# Altium PCB top_LM_v3.PcbDoc (part 1 of 6) (continued)
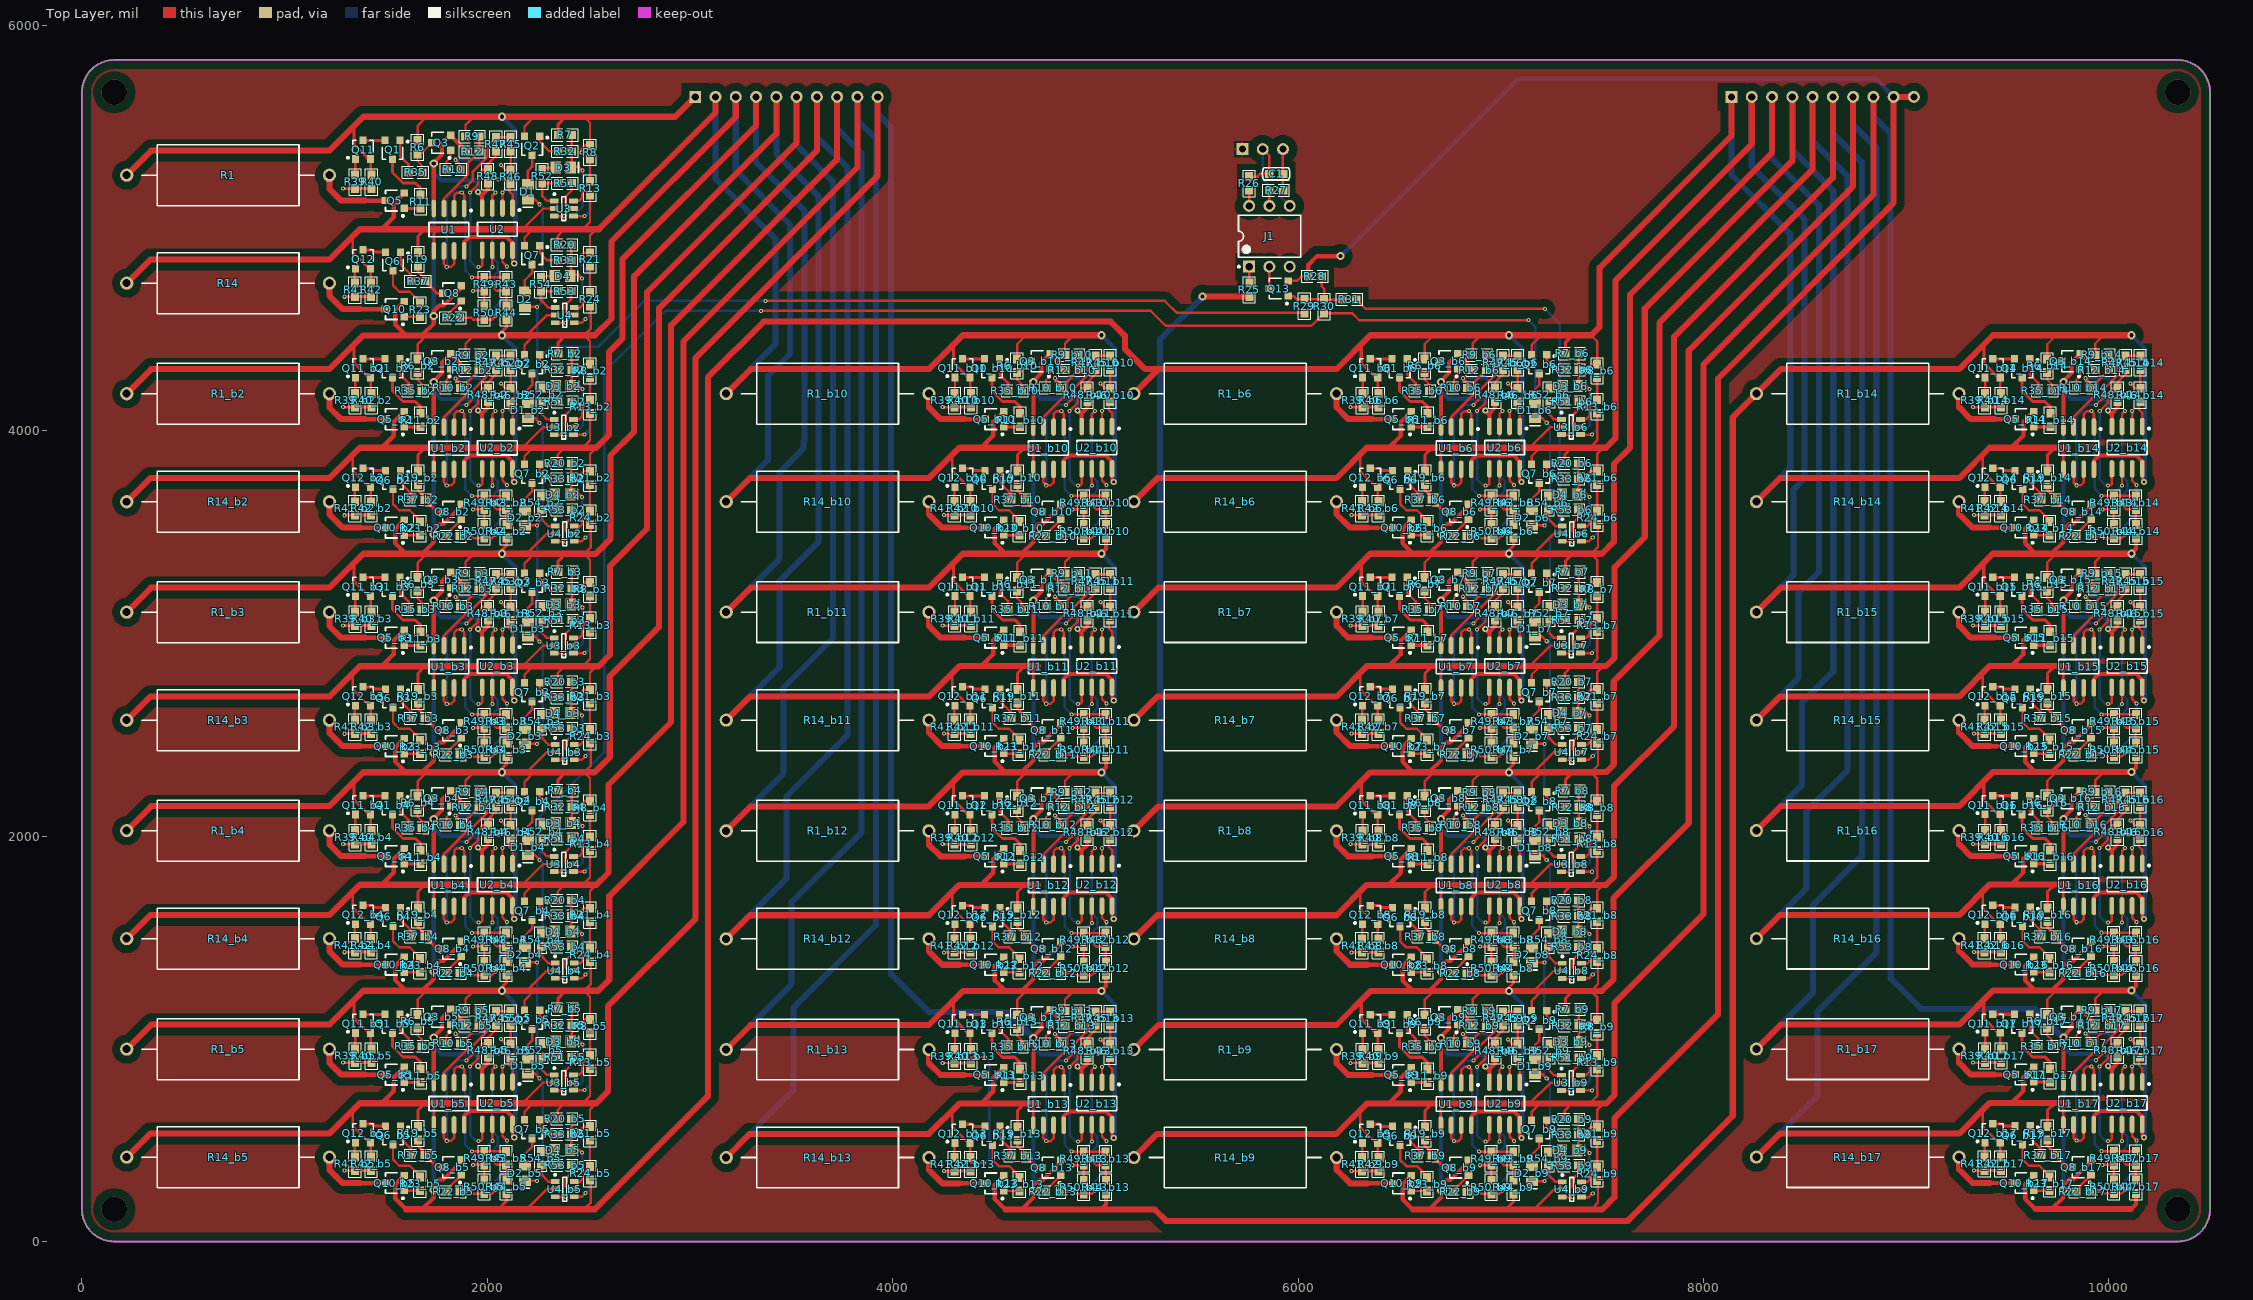
[diagram p0: Top Layer view]
## Components (designator, comment, footprint, x,y, rotation, side; value= is the part's Value field where it differs from the comment) (continued)
Q3 "MMBT3904" SOT23-3 1772.82,5421.58 r90 top
Q3_b2 "MMBT3904" SOT23-3 1772.82,4343.26 r90 top (schematic designator Q3)
Q3_b3 "MMBT3904" SOT23-3 1772.82,3265.26 r90 top (schematic designator Q3)
Q3_b4 "MMBT3904" SOT23-3 1772.82,2187.26 r90 top (schematic designator Q3)
Q3_b5 "MMBT3904" SOT23-3 1772.82,1109.26 r90 top (schematic designator Q3)
Q3_b6 "MMBT3904" SOT23-3 6742.08,4343.58 r90 top (schematic designator Q3)
Q3_b7 "MMBT3904" SOT23-3 6742.08,3265.58 r90 top (schematic designator Q3)
Q3_b8 "MMBT3904" SOT23-3 6742.08,2186.58 r90 top (schematic designator Q3)
Q3_b9 "MMBT3904" SOT23-3 6742.08,1107.58 r90 top (schematic designator Q3)
Q3_b10 "MMBT3904" SOT23-3 4730.82,4343.58 r90 top (schematic designator Q3)
Q3_b11 "MMBT3904" SOT23-3 4730.82,3265.58 r90 top (schematic designator Q3)
Q3_b12 "MMBT3904" SOT23-3 4730.82,2186.58 r90 top (schematic designator Q3)
Q3_b13 "MMBT3904" SOT23-3 4730.82,1107.58 r90 top (schematic designator Q3)
Q3_b14 "MMBT3904" SOT23-3 9813.82,4343.58 r90 top (schematic designator Q3)
Q3_b15 "MMBT3904" SOT23-3 9813.57,3265.58 r90 top (schematic designator Q3)
Q3_b16 "MMBT3904" SOT23-3 9813.57,2187.58 r90 top (schematic designator Q3)
Q3_b17 "MMBT3904" SOT23-3 9813.57,1109.58 r90 top (schematic designator Q3)
Q5 "MOSFET-N" SOT23-3 1543.69,5135.86 r90 top
Q5_b2 "MOSFET-N" SOT23-3 1543.69,4057.54 r90 top (schematic designator Q5)
Q5_b3 "MOSFET-N" SOT23-3 1543.69,2979.54 r90 top (schematic designator Q5)
Q5_b4 "MOSFET-N" SOT23-3 1543.69,1901.54 r90 top (schematic designator Q5)
Q5_b5 "MOSFET-N" SOT23-3 1543.69,823.54 r90 top (schematic designator Q5)
Q5_b6 "MOSFET-N" SOT23-3 6512.94,4057.86 r90 top (schematic designator Q5)
Q5_b7 "MOSFET-N" SOT23-3 6512.94,2979.86 r90 top (schematic designator Q5)
Q5_b8 "MOSFET-N" SOT23-3 6512.94,1900.86 r90 top (schematic designator Q5)
Q5_b9 "MOSFET-N" SOT23-3 6512.94,821.86 r90 top (schematic designator Q5)
Q5_b10 "MOSFET-N" SOT23-3 4501.69,4057.86 r90 top (schematic designator Q5)
Q5_b11 "MOSFET-N" SOT23-3 4501.69,2979.86 r90 top (schematic designator Q5)
Q5_b12 "MOSFET-N" SOT23-3 4501.69,1900.86 r90 top (schematic designator Q5)
Q5_b13 "MOSFET-N" SOT23-3 4501.69,821.86 r90 top (schematic designator Q5)
Q5_b14 "MOSFET-N" SOT23-3 9584.69,4057.86 r90 top (schematic designator Q5)
Q5_b15 "MOSFET-N" SOT23-3 9584.44,2979.86 r90 top (schematic designator Q5)
Q5_b16 "MOSFET-N" SOT23-3 9584.44,1901.86 r90 top (schematic designator Q5)
Q5_b17 "MOSFET-N" SOT23-3 9584.44,823.86 r90 top (schematic designator Q5)
Q6 "MMBT3906" SOT23-3 1534.69,4835.86 r180 top
Q6_b2 "MMBT3906" SOT23-3 1534.69,3757.54 r180 top (schematic designator Q6)
Q6_b3 "MMBT3906" SOT23-3 1534.69,2679.54 r180 top (schematic designator Q6)
Q6_b4 "MMBT3906" SOT23-3 1534.69,1601.54 r180 top (schematic designator Q6)
Q6_b5 "MMBT3906" SOT23-3 1534.69,523.54 r180 top (schematic designator Q6)
Q6_b6 "MMBT3906" SOT23-3 6503.94,3757.86 r180 top (schematic designator Q6)
Q6_b7 "MMBT3906" SOT23-3 6503.94,2679.86 r180 top (schematic designator Q6)
Q6_b8 "MMBT3906" SOT23-3 6503.94,1600.86 r180 top (schematic designator Q6)
Q6_b9 "MMBT3906" SOT23-3 6503.94,521.86 r180 top (schematic designator Q6)
Q6_b10 "MMBT3906" SOT23-3 4492.69,3757.86 r180 top (schematic designator Q6)
Q6_b11 "MMBT3906" SOT23-3 4492.69,2679.86 r180 top (schematic designator Q6)
Q6_b12 "MMBT3906" SOT23-3 4492.69,1600.86 r180 top (schematic designator Q6)
Q6_b13 "MMBT3906" SOT23-3 4492.69,521.86 r180 top (schematic designator Q6)
Q6_b14 "MMBT3906" SOT23-3 9575.69,3757.86 r180 top (schematic designator Q6)
Q6_b15 "MMBT3906" SOT23-3 9575.44,2679.86 r180 top (schematic designator Q6)
Q6_b16 "MMBT3906" SOT23-3 9575.44,1601.86 r180 top (schematic designator Q6)
Q6_b17 "MMBT3906" SOT23-3 9575.44,523.86 r180 top (schematic designator Q6)
Q7 "MMBT5400" SOT23-3 2221,4867 r180 top
Q7_b2 "MMBT5400" SOT23-3 2221,3788.68 r180 top (schematic designator Q7)
Q7_b3 "MMBT5400" SOT23-3 2221,2710.68 r180 top (schematic designator Q7)
Q7_b4 "MMBT5400" SOT23-3 2221,1632.68 r180 top (schematic designator Q7)
Q7_b5 "MMBT5400" SOT23-3 2221,554.68 r180 top (schematic designator Q7)
Q7_b6 "MMBT5400" SOT23-3 7190.25,3789 r180 top (schematic designator Q7)
Q7_b7 "MMBT5400" SOT23-3 7190.25,2711 r180 top (schematic designator Q7)
Q7_b8 "MMBT5400" SOT23-3 7190.25,1632 r180 top (schematic designator Q7)
Q7_b9 "MMBT5400" SOT23-3 7190.25,553 r180 top (schematic designator Q7)
Q8 "MMBT3904" SOT23-3 1825.82,4678.58 r90 top
Q8_b2 "MMBT3904" SOT23-3 1825.82,3600.26 r90 top (schematic designator Q8)
Q8_b3 "MMBT3904" SOT23-3 1825.82,2522.26 r90 top (schematic designator Q8)
Q8_b4 "MMBT3904" SOT23-3 1825.82,1444.26 r90 top (schematic designator Q8)
Q8_b5 "MMBT3904" SOT23-3 1825.82,366.26 r90 top (schematic designator Q8)
Q8_b6 "MMBT3904" SOT23-3 6795.08,3600.58 r90 top (schematic designator Q8)
Q8_b7 "MMBT3904" SOT23-3 6795.08,2522.58 r90 top (schematic designator Q8)
Q8_b8 "MMBT3904" SOT23-3 6795.08,1443.58 r90 top (schematic designator Q8)
Q8_b9 "MMBT3904" SOT23-3 6795.08,364.58 r90 top (schematic designator Q8)
Q8_b10 "MMBT3904" SOT23-3 4783.82,3600.58 r90 top (schematic designator Q8)
Q8_b11 "MMBT3904" SOT23-3 4783.82,2522.58 r90 top (schematic designator Q8)
Q8_b12 "MMBT3904" SOT23-3 4783.82,1443.58 r90 top (schematic designator Q8)
Q8_b13 "MMBT3904" SOT23-3 4783.82,364.58 r90 top (schematic designator Q8)
Q8_b14 "MMBT3904" SOT23-3 9866.82,3600.58 r90 top (schematic designator Q8)
Q8_b15 "MMBT3904" SOT23-3 9866.57,2522.58 r90 top (schematic designator Q8)
Q8_b16 "MMBT3904" SOT23-3 9866.57,1444.58 r90 top (schematic designator Q8)
Q8_b17 "MMBT3904" SOT23-3 9866.57,366.58 r90 top (schematic designator Q8)
Q10 "MOSFET-N" SOT23-3 1543.69,4600.86 r90 top
Q10_b2 "MOSFET-N" SOT23-3 1543.69,3522.54 r90 top (schematic designator Q10)
Q10_b3 "MOSFET-N" SOT23-3 1543.69,2444.54 r90 top (schematic designator Q10)
Q10_b4 "MOSFET-N" SOT23-3 1543.69,1366.54 r90 top (schematic designator Q10)
Q10_b5 "MOSFET-N" SOT23-3 1543.69,288.54 r90 top (schematic designator Q10)
Q10_b6 "MOSFET-N" SOT23-3 6512.94,3522.86 r90 top (schematic designator Q10)
Q10_b7 "MOSFET-N" SOT23-3 6512.94,2444.86 r90 top (schematic designator Q10)
Q10_b8 "MOSFET-N" SOT23-3 6512.94,1365.86 r90 top (schematic designator Q10)
Q10_b9 "MOSFET-N" SOT23-3 6512.94,286.86 r90 top (schematic designator Q10)
Q10_b10 "MOSFET-N" SOT23-3 4501.69,3522.86 r90 top (schematic designator Q10)
Q10_b11 "MOSFET-N" SOT23-3 4501.69,2444.86 r90 top (schematic designator Q10)
Q10_b12 "MOSFET-N" SOT23-3 4501.69,1365.86 r90 top (schematic designator Q10)
Q10_b13 "MOSFET-N" SOT23-3 4501.69,286.86 r90 top (schematic designator Q10)
Q10_b14 "MOSFET-N" SOT23-3 9584.69,3522.86 r90 top (schematic designator Q10)
Q10_b15 "MOSFET-N" SOT23-3 9584.44,2444.86 r90 top (schematic designator Q10)
Q10_b16 "MOSFET-N" SOT23-3 9584.44,1366.86 r90 top (schematic designator Q10)
Q10_b17 "MOSFET-N" SOT23-3 9584.44,288.86 r90 top (schematic designator Q10)
Q11 "MMBT3906" SOT23-3 1386.82,5387.58 r0 top
Q11_b2 "MMBT3906" SOT23-3 1386.82,4309.26 r0 top (schematic designator Q11)
Q11_b3 "MMBT3906" SOT23-3 1386.82,3231.26 r0 top (schematic designator Q11)
Q11_b4 "MMBT3906" SOT23-3 1386.82,2153.26 r0 top (schematic designator Q11)
Q11_b5 "MMBT3906" SOT23-3 1386.82,1075.26 r0 top (schematic designator Q11)
Q11_b6 "MMBT3906" SOT23-3 6356.08,4309.58 r0 top (schematic designator Q11)
Q11_b7 "MMBT3906" SOT23-3 6356.08,3231.58 r0 top (schematic designator Q11)
Q11_b8 "MMBT3906" SOT23-3 6356.08,2152.58 r0 top (schematic designator Q11)
Q11_b9 "MMBT3906" SOT23-3 6356.08,1073.58 r0 top (schematic designator Q11)
Q11_b10 "MMBT3906" SOT23-3 4344.82,4309.58 r0 top (schematic designator Q11)
Q11_b11 "MMBT3906" SOT23-3 4344.82,3231.58 r0 top (schematic designator Q11)
Q11_b12 "MMBT3906" SOT23-3 4344.82,2152.58 r0 top (schematic designator Q11)
Q11_b13 "MMBT3906" SOT23-3 4344.82,1073.58 r0 top (schematic designator Q11)
Q11_b14 "MMBT3906" SOT23-3 9427.82,4309.58 r0 top (schematic designator Q11)
Q11_b15 "MMBT3906" SOT23-3 9427.57,3231.58 r0 top (schematic designator Q11)
Q11_b16 "MMBT3906" SOT23-3 9427.57,2153.58 r0 top (schematic designator Q11)
Q11_b17 "MMBT3906" SOT23-3 9427.57,1075.58 r0 top (schematic designator Q11)
Q12 "MMBT3906" SOT23-3 1386.82,4846.58 r0 top
Q12_b2 "MMBT3906" SOT23-3 1386.82,3768.26 r0 top (schematic designator Q12)
Q12_b3 "MMBT3906" SOT23-3 1386.82,2690.26 r0 top (schematic designator Q12)
Q12_b4 "MMBT3906" SOT23-3 1386.82,1612.26 r0 top (schematic designator Q12)
Q12_b5 "MMBT3906" SOT23-3 1386.82,534.26 r0 top (schematic designator Q12)
Q12_b6 "MMBT3906" SOT23-3 6356.08,3768.58 r0 top (schematic designator Q12)
Q12_b7 "MMBT3906" SOT23-3 6356.08,2690.58 r0 top (schematic designator Q12)
Q12_b8 "MMBT3906" SOT23-3 6356.08,1611.58 r0 top (schematic designator Q12)
Q12_b9 "MMBT3906" SOT23-3 6356.08,532.58 r0 top (schematic designator Q12)
Q12_b10 "MMBT3906" SOT23-3 4344.82,3768.58 r0 top (schematic designator Q12)
Q12_b11 "MMBT3906" SOT23-3 4344.82,2690.58 r0 top (schematic designator Q12)
Q12_b12 "MMBT3906" SOT23-3 4344.82,1611.58 r0 top (schematic designator Q12)
Q12_b13 "MMBT3906" SOT23-3 4344.82,532.58 r0 top (schematic designator Q12)
Q12_b14 "MMBT3906" SOT23-3 9427.82,3768.58 r0 top (schematic designator Q12)
Q12_b15 "MMBT3906" SOT23-3 9427.57,2690.58 r0 top (schematic designator Q12)
Q12_b16 "MMBT3906" SOT23-3 9427.57,1612.58 r0 top (schematic designator Q12)
Q12_b17 "MMBT3906" SOT23-3 9427.57,534.58 r0 top (schematic designator Q12)
Q13 "NPN" SOT23-3 5904.82,4702.32 r90 top
R1 "Res1" AXIAL-1.0 720.82,5261.58 r180 top
R1_b2 "Res1" AXIAL-1.0 720.82,4183.26 r180 top (schematic designator R1)
R1_b3 "Res1" AXIAL-1.0 720.82,3105.26 r180 top (schematic designator R1)
R1_b4 "Res1" AXIAL-1.0 720.82,2027.26 r180 top (schematic designator R1)
R1_b5 "Res1" AXIAL-1.0 720.82,949.26 r180 top (schematic designator R1)
R1_b6 "Res1" AXIAL-1.0 5690.08,4183.58 r180 top (schematic designator R1)
R1_b7 "Res1" AXIAL-1.0 5690.08,3105.58 r180 top (schematic designator R1)
R1_b8 "Res1" AXIAL-1.0 5690.08,2026.58 r180 top (schematic designator R1)
R1_b9 "Res1" AXIAL-1.0 5690.08,947.58 r180 top (schematic designator R1)
R1_b10 "Res1" AXIAL-1.0 3678.82,4183.58 r180 top (schematic designator R1)
R1_b11 "Res1" AXIAL-1.0 3678.82,3105.58 r180 top (schematic designator R1)
R1_b12 "Res1" AXIAL-1.0 3678.82,2026.58 r180 top (schematic designator R1)
R1_b13 "Res1" AXIAL-1.0 3678.82,947.58 r180 top (schematic designator R1)
R1_b14 "Res1" AXIAL-1.0 8761.82,4183.58 r180 top (schematic designator R1)
R1_b15 "Res1" AXIAL-1.0 8761.57,3105.58 r180 top (schematic designator R1)
R1_b16 "Res1" AXIAL-1.0 8761.57,2027.58 r180 top (schematic designator R1)
R1_b17 "Res1" AXIAL-1.0 8761.57,949.58 r180 top (schematic designator R1)
R6 "Res1" 0603-1 1655.69,5399.32 r90 top
R6_b2 "Res1" 0603-1 1655.69,4321 r90 top (schematic designator R6)
R6_b3 "Res1" 0603-1 1655.69,3243 r90 top (schematic designator R6)
R6_b4 "Res1" 0603-1 1655.69,2165 r90 top (schematic designator R6)
R6_b5 "Res1" 0603-1 1655.69,1087 r90 top (schematic designator R6)
R6_b6 "Res1" 0603-1 6624.94,4321.32 r90 top (schematic designator R6)
R6_b7 "Res1" 0603-1 6624.94,3243.32 r90 top (schematic designator R6)
R6_b8 "Res1" 0603-1 6624.94,2164.32 r90 top (schematic designator R6)
R6_b9 "Res1" 0603-1 6624.94,1085.32 r90 top (schematic designator R6)
R6_b10 "Res1" 0603-1 4613.69,4321.32 r90 top (schematic designator R6)
R6_b11 "Res1" 0603-1 4613.69,3243.32 r90 top (schematic designator R6)
R6_b12 "Res1" 0603-1 4613.69,2164.32 r90 top (schematic designator R6)
R6_b13 "Res1" 0603-1 4613.69,1085.32 r90 top (schematic designator R6)
R6_b14 "Res1" 0603-1 9696.69,4321.32 r90 top (schematic designator R6)
R6_b15 "Res1" 0603-1 9696.44,3243.32 r90 top (schematic designator R6)
R6_b16 "Res1" 0603-1 9696.44,2165.32 r90 top (schematic designator R6)
R6_b17 "Res1" 0603-1 9696.44,1087.32 r90 top (schematic designator R6)
R7 "Res1" 0603-1 2383,5460 r180 top
R7_b2 "Res1" 0603-1 2383,4381.68 r180 top (schematic designator R7)
R7_b3 "Res1" 0603-1 2383,3303.68 r180 top (schematic designator R7)
R7_b4 "Res1" 0603-1 2383,2225.68 r180 top (schematic designator R7)
R7_b5 "Res1" 0603-1 2383,1147.68 r180 top (schematic designator R7)
R7_b6 "Res1" 0603-1 7352.25,4382 r180 top (schematic designator R7)
R7_b7 "Res1" 0603-1 7352.25,3304 r180 top (schematic designator R7)
R7_b8 "Res1" 0603-1 7352.25,2225 r180 top (schematic designator R7)
R7_b9 "Res1" 0603-1 7352.25,1146 r180 top (schematic designator R7)
R8 "Res1" 0603-1 2506.69,5374.86 r90 top
R8_b2 "Res1" 0603-1 2506.69,4296.54 r90 top (schematic designator R8)
R8_b3 "Res1" 0603-1 2506.69,3218.54 r90 top (schematic designator R8)
R8_b4 "Res1" 0603-1 2506.69,2140.54 r90 top (schematic designator R8)
R8_b5 "Res1" 0603-1 2506.69,1062.54 r90 top (schematic designator R8)
R8_b6 "Res1" 0603-1 7475.94,4296.86 r90 top (schematic designator R8)
R8_b7 "Res1" 0603-1 7475.94,3218.86 r90 top (schematic designator R8)
R8_b8 "Res1" 0603-1 7475.94,2139.86 r90 top (schematic designator R8)
R8_b9 "Res1" 0603-1 7475.94,1060.86 r90 top (schematic designator R8)
R9 "Res1" 0603-1 1925.82,5452.58 r180 top
R9_b2 "Res1" 0603-1 1925.82,4374.26 r180 top (schematic designator R9)
R9_b3 "Res1" 0603-1 1925.82,3296.26 r180 top (schematic designator R9)
R9_b4 "Res1" 0603-1 1925.82,2218.26 r180 top (schematic designator R9)
R9_b5 "Res1" 0603-1 1925.82,1140.26 r180 top (schematic designator R9)
R9_b6 "Res1" 0603-1 6895.08,4374.58 r180 top (schematic designator R9)
R9_b7 "Res1" 0603-1 6895.08,3296.58 r180 top (schematic designator R9)
R9_b8 "Res1" 0603-1 6895.08,2217.58 r180 top (schematic designator R9)
R9_b9 "Res1" 0603-1 6895.08,1138.58 r180 top (schematic designator R9)
R9_b10 "Res1" 0603-1 4883.82,4374.58 r180 top (schematic designator R9)
R9_b11 "Res1" 0603-1 4883.82,3296.58 r180 top (schematic designator R9)
R9_b12 "Res1" 0603-1 4883.82,2217.58 r180 top (schematic designator R9)
R9_b13 "Res1" 0603-1 4883.82,1138.58 r180 top (schematic designator R9)
R9_b14 "Res1" 0603-1 9966.82,4374.58 r180 top (schematic designator R9)
R9_b15 "Res1" 0603-1 9966.57,3296.58 r180 top (schematic designator R9)
R9_b16 "Res1" 0603-1 9966.57,2218.58 r180 top (schematic designator R9)
R9_b17 "Res1" 0603-1 9966.57,1140.58 r180 top (schematic designator R9)
R10 "Res1" 0603-1 1832.82,5290.58 r0 top
R10_b2 "Res1" 0603-1 1832.82,4212.26 r0 top (schematic designator R10)
R10_b3 "Res1" 0603-1 1832.82,3134.26 r0 top (schematic designator R10)
R10_b4 "Res1" 0603-1 1832.82,2056.26 r0 top (schematic designator R10)
R10_b5 "Res1" 0603-1 1832.82,978.26 r0 top (schematic designator R10)
R10_b6 "Res1" 0603-1 6802.08,4212.58 r0 top (schematic designator R10)
R10_b7 "Res1" 0603-1 6802.08,3134.58 r0 top (schematic designator R10)
R10_b8 "Res1" 0603-1 6802.08,2055.58 r0 top (schematic designator R10)
R10_b9 "Res1" 0603-1 6802.08,976.58 r0 top (schematic designator R10)
R10_b10 "Res1" 0603-1 4790.82,4212.58 r0 top (schematic designator R10)
R10_b11 "Res1" 0603-1 4790.82,3134.58 r0 top (schematic designator R10)
R10_b12 "Res1" 0603-1 4790.82,2055.58 r0 top (schematic designator R10)
R10_b13 "Res1" 0603-1 4790.82,976.58 r0 top (schematic designator R10)
R10_b14 "Res1" 0603-1 9873.82,4212.58 r0 top (schematic designator R10)
R10_b15 "Res1" 0603-1 9873.57,3134.58 r0 top (schematic designator R10)
R10_b16 "Res1" 0603-1 9873.57,2056.58 r0 top (schematic designator R10)
R10_b17 "Res1" 0603-1 9873.57,978.58 r0 top (schematic designator R10)
R11 "Res1" 0603-1 1670.82,5131.58 r90 top
R11_b2 "Res1" 0603-1 1670.82,4053.26 r90 top (schematic designator R11)
R11_b3 "Res1" 0603-1 1670.82,2975.26 r90 top (schematic designator R11)
R11_b4 "Res1" 0603-1 1670.82,1897.26 r90 top (schematic designator R11)
R11_b5 "Res1" 0603-1 1670.82,819.26 r90 top (schematic designator R11)
R11_b6 "Res1" 0603-1 6640.08,4053.58 r90 top (schematic designator R11)
R11_b7 "Res1" 0603-1 6640.08,2975.58 r90 top (schematic designator R11)
R11_b8 "Res1" 0603-1 6640.08,1896.58 r90 top (schematic designator R11)
R11_b9 "Res1" 0603-1 6640.08,817.58 r90 top (schematic designator R11)
R11_b10 "Res1" 0603-1 4628.82,4053.58 r90 top (schematic designator R11)
R11_b11 "Res1" 0603-1 4628.82,2975.58 r90 top (schematic designator R11)
R11_b12 "Res1" 0603-1 4628.82,1896.58 r90 top (schematic designator R11)
R11_b13 "Res1" 0603-1 4628.82,817.58 r90 top (schematic designator R11)
R11_b14 "Res1" 0603-1 9711.82,4053.58 r90 top (schematic designator R11)
R11_b15 "Res1" 0603-1 9711.57,2975.58 r90 top (schematic designator R11)
R11_b16 "Res1" 0603-1 9711.57,1897.58 r90 top (schematic designator R11)
R11_b17 "Res1" 0603-1 9711.57,819.58 r90 top (schematic designator R11)
R12 "Res1" 0603-1 1925.82,5377.58 r0 top
R12_b2 "Res1" 0603-1 1925.82,4299.26 r0 top (schematic designator R12)
R12_b3 "Res1" 0603-1 1925.82,3221.26 r0 top (schematic designator R12)
R12_b4 "Res1" 0603-1 1925.82,2143.26 r0 top (schematic designator R12)
R12_b5 "Res1" 0603-1 1925.82,1065.26 r0 top (schematic designator R12)
R12_b6 "Res1" 0603-1 6895.08,4299.58 r0 top (schematic designator R12)
R12_b7 "Res1" 0603-1 6895.08,3221.58 r0 top (schematic designator R12)
R12_b8 "Res1" 0603-1 6895.08,2142.58 r0 top (schematic designator R12)
R12_b9 "Res1" 0603-1 6895.08,1063.58 r0 top (schematic designator R12)
R12_b10 "Res1" 0603-1 4883.82,4299.58 r0 top (schematic designator R12)
R12_b11 "Res1" 0603-1 4883.82,3221.58 r0 top (schematic designator R12)
R12_b12 "Res1" 0603-1 4883.82,2142.58 r0 top (schematic designator R12)
R12_b13 "Res1" 0603-1 4883.82,1063.58 r0 top (schematic designator R12)
R12_b14 "Res1" 0603-1 9966.82,4299.58 r0 top (schematic designator R12)
R12_b15 "Res1" 0603-1 9966.57,3221.58 r0 top (schematic designator R12)
R12_b16 "Res1" 0603-1 9966.57,2143.58 r0 top (schematic designator R12)
R12_b17 "Res1" 0603-1 9966.57,1065.58 r0 top (schematic designator R12)
R13 "Res1" 0603-1 2506.69,5197.86 r90 top
R13_b2 "Res1" 0603-1 2506.69,4119.54 r90 top (schematic designator R13)
R13_b3 "Res1" 0603-1 2506.69,3041.54 r90 top (schematic designator R13)
R13_b4 "Res1" 0603-1 2506.69,1963.54 r90 top (schematic designator R13)
R13_b5 "Res1" 0603-1 2506.69,885.54 r90 top (schematic designator R13)
R13_b6 "Res1" 0603-1 7475.94,4119.86 r90 top (schematic designator R13)
R13_b7 "Res1" 0603-1 7475.94,3041.86 r90 top (schematic designator R13)
R13_b8 "Res1" 0603-1 7475.94,1962.86 r90 top (schematic designator R13)
R13_b9 "Res1" 0603-1 7475.94,883.86 r90 top (schematic designator R13)
R14 "Res1" AXIAL-1.0 720.82,4728.58 r180 top
R14_b2 "Res1" AXIAL-1.0 720.82,3650.26 r180 top (schematic designator R14)
R14_b3 "Res1" AXIAL-1.0 720.82,2572.26 r180 top (schematic designator R14)
R14_b4 "Res1" AXIAL-1.0 720.82,1494.26 r180 top (schematic designator R14)
R14_b5 "Res1" AXIAL-1.0 720.82,416.26 r180 top (schematic designator R14)
R14_b6 "Res1" AXIAL-1.0 5690.08,3650.58 r180 top (schematic designator R14)
R14_b7 "Res1" AXIAL-1.0 5690.08,2572.58 r180 top (schematic designator R14)
R14_b8 "Res1" AXIAL-1.0 5690.08,1493.58 r180 top (schematic designator R14)
R14_b9 "Res1" AXIAL-1.0 5690.08,414.58 r180 top (schematic designator R14)
R14_b10 "Res1" AXIAL-1.0 3678.82,3650.58 r180 top (schematic designator R14)
R14_b11 "Res1" AXIAL-1.0 3678.82,2572.58 r180 top (schematic designator R14)
R14_b12 "Res1" AXIAL-1.0 3678.82,1493.58 r180 top (schematic designator R14)
R14_b13 "Res1" AXIAL-1.0 3678.82,414.58 r180 top (schematic designator R14)
R14_b14 "Res1" AXIAL-1.0 8761.82,3650.58 r180 top (schematic designator R14)
R14_b15 "Res1" AXIAL-1.0 8761.57,2572.58 r180 top (schematic designator R14)
R14_b16 "Res1" AXIAL-1.0 8761.57,1494.58 r180 top (schematic designator R14)
R14_b17 "Res1" AXIAL-1.0 8761.57,416.58 r180 top (schematic designator R14)
R19 "Res1" 0603-1 1657.69,4846.86 r90 top
R19_b2 "Res1" 0603-1 1657.69,3768.54 r90 top (schematic designator R19)
R19_b3 "Res1" 0603-1 1657.69,2690.54 r90 top (schematic designator R19)
R19_b4 "Res1" 0603-1 1657.69,1612.54 r90 top (schematic designator R19)
R19_b5 "Res1" 0603-1 1657.69,534.54 r90 top (schematic designator R19)
R19_b6 "Res1" 0603-1 6626.94,3768.86 r90 top (schematic designator R19)
R19_b7 "Res1" 0603-1 6626.94,2690.86 r90 top (schematic designator R19)
R19_b8 "Res1" 0603-1 6626.94,1611.86 r90 top (schematic designator R19)
R19_b9 "Res1" 0603-1 6626.94,532.86 r90 top (schematic designator R19)
R19_b10 "Res1" 0603-1 4615.69,3768.86 r90 top (schematic designator R19)
R19_b11 "Res1" 0603-1 4615.69,2690.86 r90 top (schematic designator R19)
R19_b12 "Res1" 0603-1 4615.69,1611.86 r90 top (schematic designator R19)
R19_b13 "Res1" 0603-1 4615.69,532.86 r90 top (schematic designator R19)
R19_b14 "Res1" 0603-1 9698.69,3768.86 r90 top (schematic designator R19)
R19_b15 "Res1" 0603-1 9698.44,2690.86 r90 top (schematic designator R19)
R19_b16 "Res1" 0603-1 9698.44,1612.86 r90 top (schematic designator R19)
R19_b17 "Res1" 0603-1 9698.44,534.86 r90 top (schematic designator R19)
R20 "Res1" 0603-1 2381,4918 r180 top
R20_b2 "Res1" 0603-1 2381,3839.68 r180 top (schematic designator R20)
R20_b3 "Res1" 0603-1 2381,2761.68 r180 top (schematic designator R20)
R20_b4 "Res1" 0603-1 2381,1683.68 r180 top (schematic designator R20)
R20_b5 "Res1" 0603-1 2381,605.68 r180 top (schematic designator R20)
R20_b6 "Res1" 0603-1 7350.25,3840 r180 top (schematic designator R20)
R20_b7 "Res1" 0603-1 7350.25,2762 r180 top (schematic designator R20)
R20_b8 "Res1" 0603-1 7350.25,1683 r180 top (schematic designator R20)
R20_b9 "Res1" 0603-1 7350.25,604 r180 top (schematic designator R20)
R21 "Res1" 0603-1 2506.69,4845.86 r90 top
R21_b2 "Res1" 0603-1 2506.69,3767.54 r90 top (schematic designator R21)
R21_b3 "Res1" 0603-1 2506.69,2689.54 r90 top (schematic designator R21)
R21_b4 "Res1" 0603-1 2506.69,1611.54 r90 top (schematic designator R21)
R21_b5 "Res1" 0603-1 2506.69,533.54 r90 top (schematic designator R21)
R21_b6 "Res1" 0603-1 7475.94,3767.86 r90 top (schematic designator R21)
R21_b7 "Res1" 0603-1 7475.94,2689.86 r90 top (schematic designator R21)
R21_b8 "Res1" 0603-1 7475.94,1610.86 r90 top (schematic designator R21)
R21_b9 "Res1" 0603-1 7475.94,531.86 r90 top (schematic designator R21)
R22 "Res1" 0603-1 1830.82,4558.58 r180 top
R22_b2 "Res1" 0603-1 1830.82,3480.26 r180 top (schematic designator R22)
R22_b3 "Res1" 0603-1 1830.82,2402.26 r180 top (schematic designator R22)
R22_b4 "Res1" 0603-1 1830.82,1324.26 r180 top (schematic designator R22)
R22_b5 "Res1" 0603-1 1830.82,246.26 r180 top (schematic designator R22)
R22_b6 "Res1" 0603-1 6800.08,3480.58 r180 top (schematic designator R22)
R22_b7 "Res1" 0603-1 6800.08,2402.58 r180 top (schematic designator R22)
R22_b8 "Res1" 0603-1 6800.08,1323.58 r180 top (schematic designator R22)
R22_b9 "Res1" 0603-1 6800.08,244.58 r180 top (schematic designator R22)
R22_b10 "Res1" 0603-1 4788.82,3480.58 r180 top (schematic designator R22)
R22_b11 "Res1" 0603-1 4788.82,2402.58 r180 top (schematic designator R22)
R22_b12 "Res1" 0603-1 4788.82,1323.58 r180 top (schematic designator R22)
R22_b13 "Res1" 0603-1 4788.82,244.58 r180 top (schematic designator R22)
R22_b14 "Res1" 0603-1 9871.82,3480.58 r180 top (schematic designator R22)
R22_b15 "Res1" 0603-1 9871.57,2402.58 r180 top (schematic designator R22)
R22_b16 "Res1" 0603-1 9871.57,1324.58 r180 top (schematic designator R22)
R22_b17 "Res1" 0603-1 9871.57,246.58 r180 top (schematic designator R22)
R23 "Res1" 0603-1 1668.08,4596.86 r90 top
R23_b2 "Res1" 0603-1 1668.08,3518.54 r90 top (schematic designator R23)
R23_b3 "Res1" 0603-1 1668.08,2440.54 r90 top (schematic designator R23)
R23_b4 "Res1" 0603-1 1668.08,1362.54 r90 top (schematic designator R23)
R23_b5 "Res1" 0603-1 1668.08,284.54 r90 top (schematic designator R23)
R23_b6 "Res1" 0603-1 6637.33,3518.86 r90 top (schematic designator R23)
R23_b7 "Res1" 0603-1 6637.33,2440.86 r90 top (schematic designator R23)
R23_b8 "Res1" 0603-1 6637.33,1361.86 r90 top (schematic designator R23)
R23_b9 "Res1" 0603-1 6637.33,282.86 r90 top (schematic designator R23)
R23_b10 "Res1" 0603-1 4626.08,3518.86 r90 top (schematic designator R23)
R23_b11 "Res1" 0603-1 4626.08,2440.86 r90 top (schematic designator R23)
R23_b12 "Res1" 0603-1 4626.08,1361.86 r90 top (schematic designator R23)
R23_b13 "Res1" 0603-1 4626.08,282.86 r90 top (schematic designator R23)
R23_b14 "Res1" 0603-1 9709.08,3518.86 r90 top (schematic designator R23)
R23_b15 "Res1" 0603-1 9708.82,2440.86 r90 top (schematic designator R23)
R23_b16 "Res1" 0603-1 9708.82,1362.86 r90 top (schematic designator R23)
R23_b17 "Res1" 0603-1 9708.82,284.86 r90 top (schematic designator R23)
R24 "Res1" 0603-1 2506.69,4648.86 r90 top
R24_b2 "Res1" 0603-1 2506.69,3570.54 r90 top (schematic designator R24)
R24_b3 "Res1" 0603-1 2506.69,2492.54 r90 top (schematic designator R24)
R24_b4 "Res1" 0603-1 2506.69,1414.54 r90 top (schematic designator R24)
R24_b5 "Res1" 0603-1 2506.69,336.54 r90 top (schematic designator R24)
R24_b6 "Res1" 0603-1 7475.94,3570.86 r90 top (schematic designator R24)
R24_b7 "Res1" 0603-1 7475.94,2492.86 r90 top (schematic designator R24)
R24_b8 "Res1" 0603-1 7475.94,1413.86 r90 top (schematic designator R24)
R24_b9 "Res1" 0603-1 7475.94,334.86 r90 top (schematic designator R24)
R25 "Res1" 0603-1 5759.82,4696.32 r90 top
R26 "Res1" 0603-1 5759,5221 r90 top
R27 "Res1" 0603-1 5892,5187 r0 top
R28 "Res1" 0603-1 6083.82,4762.32 r0 top
R29 "Res1" 0603-1 6031.82,4615.32 r90 top
R30 "Res1" 0603-1 6128.82,4614.32 r90 top
R31 "Res1" 0603-1 6254,4649 r180 top
R32 "Res1" 0603-1 2383,5379 r180 top
R32_b2 "Res1" 0603-1 2383,4300.68 r180 top (schematic designator R32)
R32_b3 "Res1" 0603-1 2383,3222.68 r180 top (schematic designator R32)
R32_b4 "Res1" 0603-1 2383,2144.68 r180 top (schematic designator R32)
R32_b5 "Res1" 0603-1 2383,1066.68 r180 top (schematic designator R32)
R32_b6 "Res1" 0603-1 7352.25,4301 r180 top (schematic designator R32)
R32_b7 "Res1" 0603-1 7352.25,3223 r180 top (schematic designator R32)
R32_b8 "Res1" 0603-1 7352.25,2144 r180 top (schematic designator R32)
R32_b9 "Res1" 0603-1 7352.25,1065 r180 top (schematic designator R32)
R33 "Res1" 0603-1 2381,4841 r180 top
R33_b2 "Res1" 0603-1 2381,3762.68 r180 top (schematic designator R33)
R33_b3 "Res1" 0603-1 2381,2684.68 r180 top (schematic designator R33)
R33_b4 "Res1" 0603-1 2381,1606.68 r180 top (schematic designator R33)
R33_b5 "Res1" 0603-1 2381,528.68 r180 top (schematic designator R33)
R33_b6 "Res1" 0603-1 7350.25,3763 r180 top (schematic designator R33)
R33_b7 "Res1" 0603-1 7350.25,2685 r180 top (schematic designator R33)
R33_b8 "Res1" 0603-1 7350.25,1606 r180 top (schematic designator R33)
R33_b9 "Res1" 0603-1 7350.25,527 r180 top (schematic designator R33)
R35 "Res1" 0603-1 1644.82,5275.58 r180 top
R35_b2 "Res1" 0603-1 1644.82,4197.26 r180 top (schematic designator R35)
R35_b3 "Res1" 0603-1 1644.82,3119.26 r180 top (schematic designator R35)
R35_b4 "Res1" 0603-1 1644.82,2041.26 r180 top (schematic designator R35)
R35_b5 "Res1" 0603-1 1644.82,963.26 r180 top (schematic designator R35)
R35_b6 "Res1" 0603-1 6614.08,4197.58 r180 top (schematic designator R35)
R35_b7 "Res1" 0603-1 6614.08,3119.58 r180 top (schematic designator R35)
R35_b8 "Res1" 0603-1 6614.08,2040.58 r180 top (schematic designator R35)
R35_b9 "Res1" 0603-1 6614.08,961.58 r180 top (schematic designator R35)
R35_b10 "Res1" 0603-1 4602.82,4197.58 r180 top (schematic designator R35)
R35_b11 "Res1" 0603-1 4602.82,3119.58 r180 top (schematic designator R35)
R35_b12 "Res1" 0603-1 4602.82,2040.58 r180 top (schematic designator R35)
R35_b13 "Res1" 0603-1 4602.82,961.58 r180 top (schematic designator R35)
R35_b14 "Res1" 0603-1 9685.82,4197.58 r180 top (schematic designator R35)
R35_b15 "Res1" 0603-1 9685.57,3119.58 r180 top (schematic designator R35)
R35_b16 "Res1" 0603-1 9685.57,2041.58 r180 top (schematic designator R35)
R35_b17 "Res1" 0603-1 9685.57,963.58 r180 top (schematic designator R35)
R37 "Res1" 0603-1 1658.69,4738.32 r180 top
R37_b2 "Res1" 0603-1 1658.69,3660 r180 top (schematic designator R37)
R37_b3 "Res1" 0603-1 1658.69,2582 r180 top (schematic designator R37)
R37_b4 "Res1" 0603-1 1658.69,1504 r180 top (schematic designator R37)
R37_b5 "Res1" 0603-1 1658.69,426 r180 top (schematic designator R37)
R37_b6 "Res1" 0603-1 6627.94,3660.32 r180 top (schematic designator R37)
R37_b7 "Res1" 0603-1 6627.94,2582.32 r180 top (schematic designator R37)
R37_b8 "Res1" 0603-1 6627.94,1503.32 r180 top (schematic designator R37)
R37_b9 "Res1" 0603-1 6627.94,424.32 r180 top (schematic designator R37)
R37_b10 "Res1" 0603-1 4616.69,3660.32 r180 top (schematic designator R37)
R37_b11 "Res1" 0603-1 4616.69,2582.32 r180 top (schematic designator R37)
R37_b12 "Res1" 0603-1 4616.69,1503.32 r180 top (schematic designator R37)
R37_b13 "Res1" 0603-1 4616.69,424.32 r180 top (schematic designator R37)
R37_b14 "Res1" 0603-1 9699.69,3660.32 r180 top (schematic designator R37)
R37_b15 "Res1" 0603-1 9699.44,2582.32 r180 top (schematic designator R37)
R37_b16 "Res1" 0603-1 9699.44,1504.32 r180 top (schematic designator R37)
R37_b17 "Res1" 0603-1 9699.44,426.32 r180 top (schematic designator R37)
R39 "Res1" 0603-1 1347.82,5228.58 r90 top
R39_b2 "Res1" 0603-1 1347.82,4150.26 r90 top (schematic designator R39)
R39_b3 "Res1" 0603-1 1347.82,3072.26 r90 top (schematic designator R39)
R39_b4 "Res1" 0603-1 1347.82,1994.26 r90 top (schematic designator R39)
R39_b5 "Res1" 0603-1 1347.82,916.26 r90 top (schematic designator R39)
R39_b6 "Res1" 0603-1 6317.08,4150.58 r90 top (schematic designator R39)
R39_b7 "Res1" 0603-1 6317.08,3072.58 r90 top (schematic designator R39)
R39_b8 "Res1" 0603-1 6317.08,1993.58 r90 top (schematic designator R39)
R39_b9 "Res1" 0603-1 6317.08,914.58 r90 top (schematic designator R39)
R39_b10 "Res1" 0603-1 4305.82,4150.58 r90 top (schematic designator R39)
R39_b11 "Res1" 0603-1 4305.82,3072.58 r90 top (schematic designator R39)
R39_b12 "Res1" 0603-1 4305.82,1993.58 r90 top (schematic designator R39)
R39_b13 "Res1" 0603-1 4305.82,914.58 r90 top (schematic designator R39)
R39_b14 "Res1" 0603-1 9388.82,4150.58 r90 top (schematic designator R39)
R39_b15 "Res1" 0603-1 9388.57,3072.58 r90 top (schematic designator R39)
R39_b16 "Res1" 0603-1 9388.57,1994.58 r90 top (schematic designator R39)
R39_b17 "Res1" 0603-1 9388.57,916.58 r90 top (schematic designator R39)
R40 "Res1" 0603-1 1428.82,5228.58 r270 top
R40_b2 "Res1" 0603-1 1428.82,4150.26 r270 top (schematic designator R40)
R40_b3 "Res1" 0603-1 1428.82,3072.26 r270 top (schematic designator R40)
R40_b4 "Res1" 0603-1 1428.82,1994.26 r270 top (schematic designator R40)
R40_b5 "Res1" 0603-1 1428.82,916.26 r270 top (schematic designator R40)
R40_b6 "Res1" 0603-1 6398.08,4150.58 r270 top (schematic designator R40)
R40_b7 "Res1" 0603-1 6398.08,3072.58 r270 top (schematic designator R40)
R40_b8 "Res1" 0603-1 6398.08,1993.58 r270 top (schematic designator R40)
R40_b9 "Res1" 0603-1 6398.08,914.58 r270 top (schematic designator R40)
R40_b10 "Res1" 0603-1 4386.82,4150.58 r270 top (schematic designator R40)
R40_b11 "Res1" 0603-1 4386.82,3072.58 r270 top (schematic designator R40)
R40_b12 "Res1" 0603-1 4386.82,1993.58 r270 top (schematic designator R40)
R40_b13 "Res1" 0603-1 4386.82,914.58 r270 top (schematic designator R40)
R40_b14 "Res1" 0603-1 9469.82,4150.58 r270 top (schematic designator R40)
R40_b15 "Res1" 0603-1 9469.57,3072.58 r270 top (schematic designator R40)
R40_b16 "Res1" 0603-1 9469.57,1994.58 r270 top (schematic designator R40)
R40_b17 "Res1" 0603-1 9469.57,916.58 r270 top (schematic designator R40)
R41 "Res1" 0603-1 1346.82,4695.58 r270 top
R41_b2 "Res1" 0603-1 1346.82,3617.26 r270 top (schematic designator R41)
R41_b3 "Res1" 0603-1 1346.82,2539.26 r270 top (schematic designator R41)
R41_b4 "Res1" 0603-1 1346.82,1461.26 r270 top (schematic designator R41)
R41_b5 "Res1" 0603-1 1346.82,383.26 r270 top (schematic designator R41)
R41_b6 "Res1" 0603-1 6316.08,3617.58 r270 top (schematic designator R41)
R41_b7 "Res1" 0603-1 6316.08,2539.58 r270 top (schematic designator R41)
R41_b8 "Res1" 0603-1 6316.08,1460.58 r270 top (schematic designator R41)
R41_b9 "Res1" 0603-1 6316.08,381.58 r270 top (schematic designator R41)